# Altium PCB MPPT_FINAL.pcbdoc (part 2 of 2)
Units mil, origin at the board's own origin, x right, y up, seen from the top; angles counter-clockwise.
Board outline 3897.64 x 3105 mil, 2 copper layers (Top Layer, Bottom Layer); 148 components, 102 nets, 491 pads, 184 vias.
Unrouted connection lines stored in the file: 3.
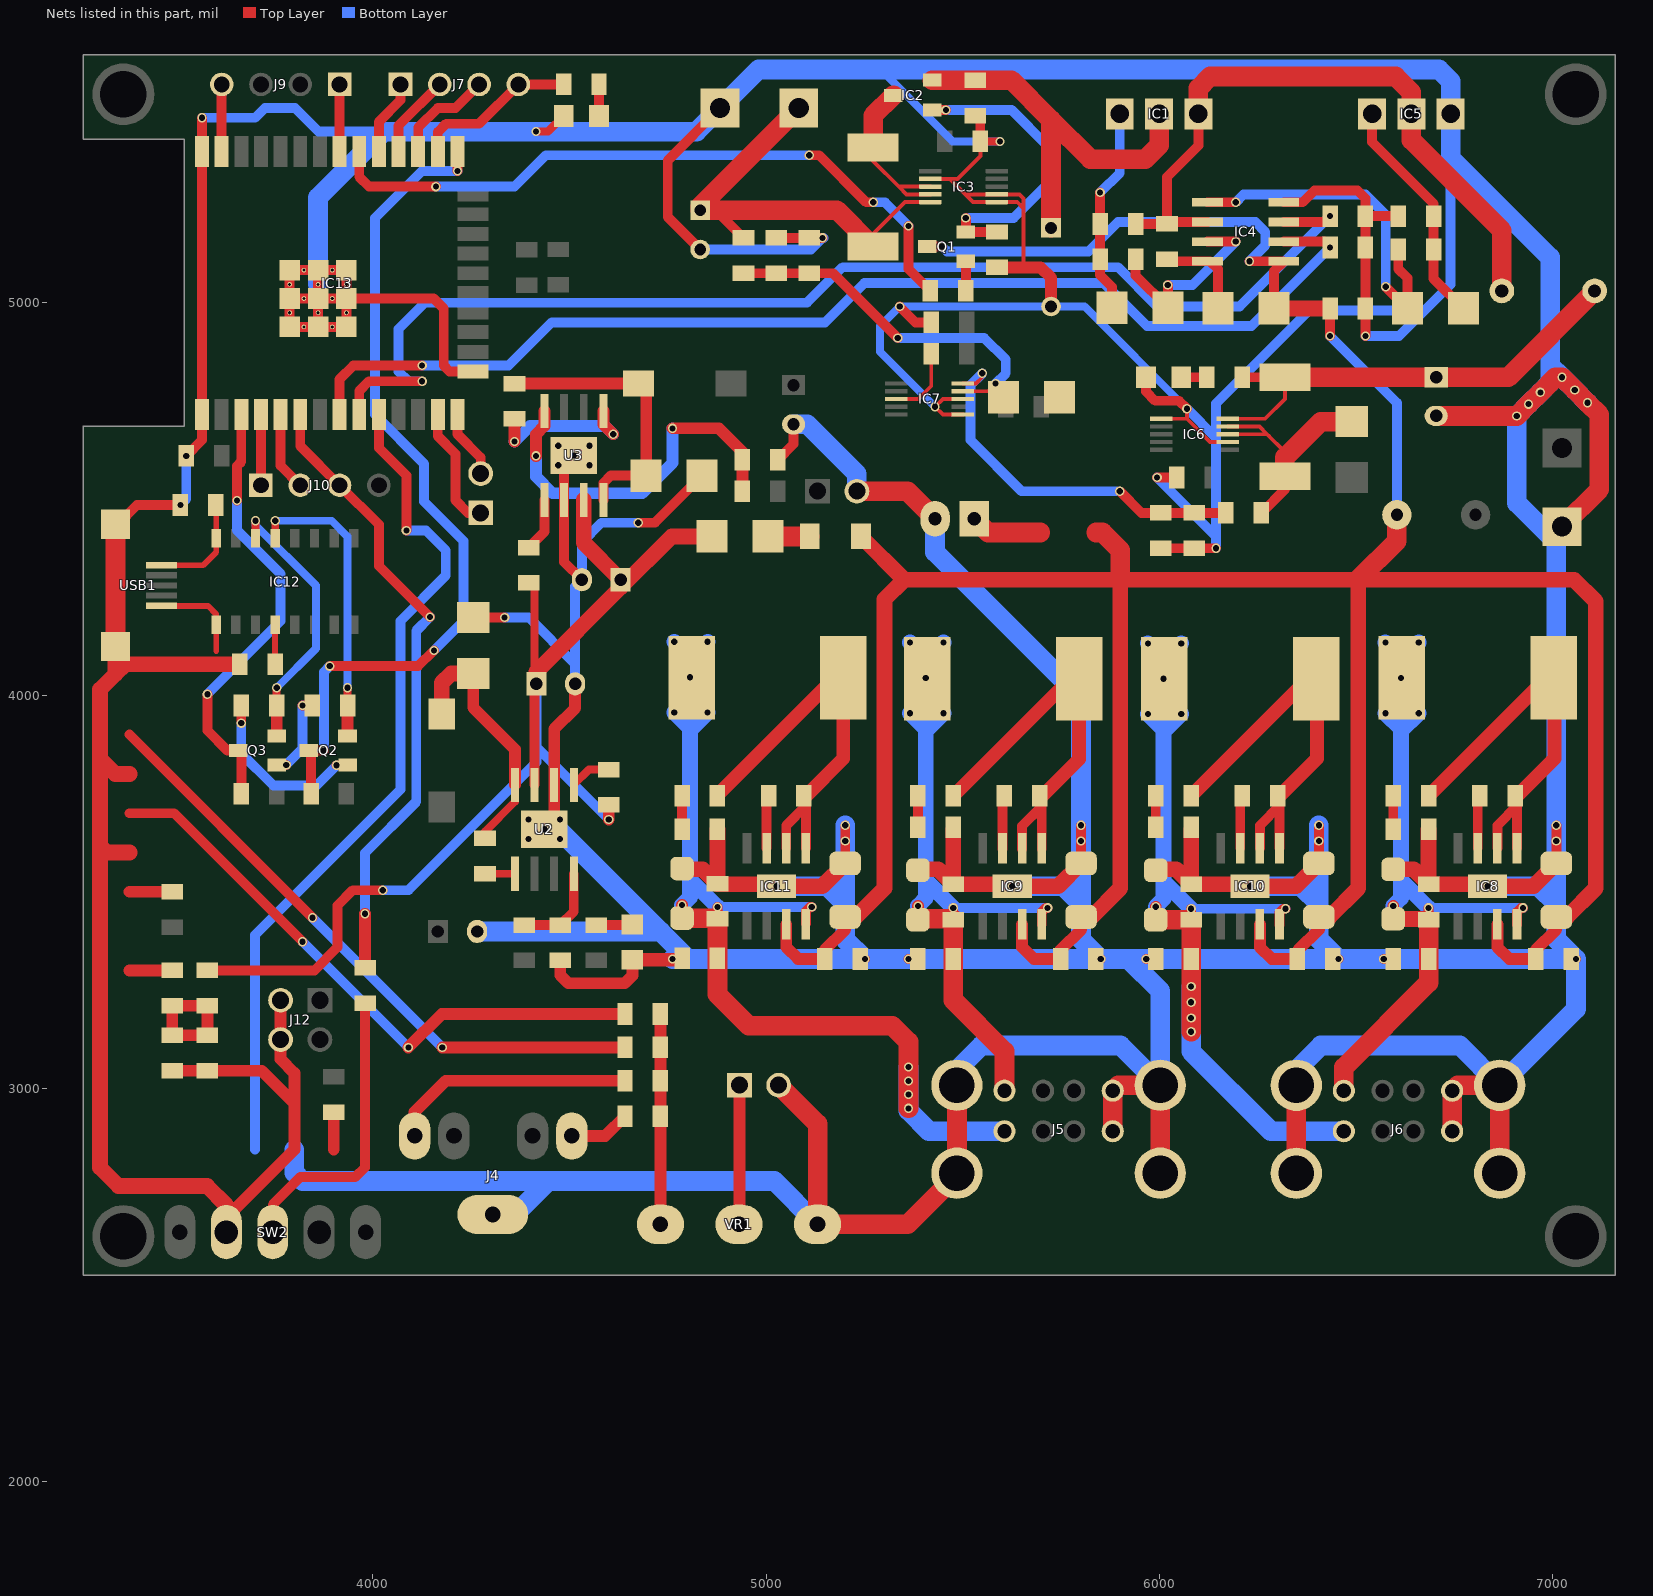
[diagram p2: the nets of this part, all layers, seen from the top]

## Via types
v1: diameter 23.62, hole 15.75, Top Layer to Bottom Layer, 179 vias
v2: diameter 55, hole 55, Top Layer to Bottom Layer, 5 vias

## Nets (pads, with @x,y where several pads share a name; then routed paths per layer and width w, separated by ;. In a path a pad name is that pad's centre, name@x,y a point inside that pad or via, vN(x,y) a via of type N, cw(c..) or ccw(c..) an arc to the next point about the centre after c; other vN are vias at no path point) (continued)
GND: C1.2 C2.2 C3.2 C4.2 C6.2 C7.2 C8.2 C9.2 C10.2 C11.1 C17.2 C19.2 C20.2 C21.2 C22.2 C23.2 C24.2 C25.2 C26.1 C27.1 C28.2 C30.2 C32.2 C33.2 C34.2 C35.2 C36.2 C37.2 C38.1 C39.1 C40.2 C41.2 C42.2 C44.2 C45.2 C47.2 C48.2 D6.1 D8.1 IC3.1 IC3.2 IC3.7 IC4.4 IC5.3 IC6.1 IC6.7 IC7.1 IC7.3 IC8.9 IC9.9 IC10.9 IC11.9 IC12.1 IC13.1 IC13.15 IC13.38 IC13.39_1 IC13.39_2 IC13.39_3 IC13.39_4 IC13.39_5 IC13.39_6 IC13.39_7 IC13.39_8 IC13.39_9 IC13.39_10 IC13.39_11 IC13.39_12 IC13.39_13 IC13.39_14 IC13.39_15 IC13.39_16 IC13.39_17 IC13.39_18 IC13.39_19 IC13.39_20 IC13.39_21 J1.1 J2.2 J3.2 J4.5 J5.4 J5.8 J5.S1 J5.S2 J5.S3 J5.S4 J6.4 J6.8 J6.S1 J6.S2 J6.S3 J6.S4 J11.2 J12.2 J12.3 J13.2 LED1.2 LED2.2 LED3.2 R3.1 R4.2 R7.1 R8.1 R11.2 R12.2 R16.2 R20.2 R21.2 R22.2 R25.2 R26.2 R40.2 R43.2 SW2.3 U2.6 U2.9 U3.6 U3.9 USB1.5 VR1.3 | length 38084.4
  Top Layer w10: IC3.7@5417.9,5314.69 5467.86,5314.69 ; IC7.1@5500.59,4715.31 5449.69,4715.31 v1(5430,4735) 5449.69,4754.69 IC7.3@5500.59,4754.69 ; C7.2@5545.09,5410 5545.09,5372.54 5487.23,5314.69 5467.86,5314.69 ; 5655,5089.54 5655,5239.69 ; IC6.1@6005.35,4704.37 6070.63,4704.37 ; v1(6070.63,4730) 6070.63,4704.37 ; IC6.7@6174.65,4645.31 6129.69,4645.31 6070.63,4704.37 ; 5467.86,5314.69 5507.23,5275.31 ; 5507.23,5275.31 5526.91,5255.63 IC3.1@5587.19,5255.63 5639.06,5255.63 5655,5239.69 ; 5507.23,5275.31 IC3.2@5587.19,5275.31 5644.69,5275.31 5655,5265 5655,5239.69
  Top Layer w15: USB1.5@3461.84,4228.51 3580.1,4228.51 3601.22,4207.39 3601.22,4175.75 3601.22,4113.78
  Top Layer w20: v1(4415,5435) 4445.39,5435 LED2.2@4485,5474.61 ; C7.2@5545.09,5410 v1(5595,5410)
  Top Layer w25: USB1.5@3345,4436.02 3351.02,4436.02 3400,4485 v1(3510,4485) ; v1(3525,4610) 3565,4650 IC13.1@3565,4715 IC13.38@3565,5384.29 v1(3565,5470) ; IC13.15@4254.37,4824.65 4195,4824.65 4180,4839.65 4180,4985 4154.72,5010.28 IC13.39_8@3932.52,5010.28 ; D6.1@4255,4198.56 v1(4335,4198.56) ; U3.9@4520.23,4610.94 4486.23,4576.94 U3.6@4486.23,4497.76 4486.23,4340.34 C48.2@4531.57,4295 ; v1(4675,4440) 4717.2,4440 D8.1@4837.2,4560 ; v1(4762.25,3330.01) R26.2@4786.42,3330.01 ; C2.2@4832.54,5135 4750,5217.54 4750,5361.92 J1.1@4883.08,5495 ; R4.2@5026.31,5164.65 C4.2@5110.09,5164.65 v1(5143.73,5164.65) ; R43.2@5030,4600 5070,4640 C47.2@5070,4690 ; C37.2@5201.41,3573.11 v1(5201.41,3630) v1(5201.42,3670.01) ; C36.2@5239.33,3330.01 v1(5251.42,3330.01) ; v1(5340,4990) 5380.31,4949.69 C9.2@5420.3,4949.69 ; v1(5362.25,3330) R22.2@5386.42,3330 ; R3.1@5532.54,5475.8 5545.09,5463.25 C7.2@5545.09,5410 ; C25.2@5801.41,3573.1 v1(5801.41,3629.99) v1(5801.42,3670) ; C24.2@5839.33,3330 v1(5851.42,3330) ; LED1.2@5966.5,4810 5966.5,4773.5 5990,4750 6050.63,4750 v1(6070.63,4730) ; v1(5967.25,3330) R25.2@5991.42,3330 ; v1(5995,4555) C10.2@6045,4555 ; C8.2@6004.65,4375 R16.2@6089.65,4375 v1(6145,4375) ; IC4.4@6317,5255 6365,5255 6395,5285 6505,5285 6525,5265 R8.1@6525,5220 ; C34.2@6406.41,3573.1 v1(6406.42,3629.99) v1(6406.42,3670) ; C33.2@6444.33,3330 v1(6456.42,3330) ; v1(6525,4915) C3.2@6525,4985 R7.1@6525,5140 R8.1@6525,5220 ; v1(6571.42,3330) R21.2@6595.59,3330 ; R12.2@6608.43,5220 R8.1@6525,5220 ; C22.2@7010.59,3573.1 v1(7010.59,3629.99) v1(7010.59,3670) ; C21.2@7048.51,3330 v1(7060.59,3330) ; IC13.39_2@3788.03,5010.28 IC13.39_13@3824.15,5010.28 IC13.39_5@3860.28,5010.28 ; IC13.39_2@3788.03,5010.28 IC13.39_11@3788.03,5046.4 IC13.39_3@3788.03,5082.52 IC13.39_14@3824.15,5082.52 IC13.39_6@3860.28,5082.52 ; IC13.39_2@3788.03,5010.28 IC13.39_10@3788.03,4974.15 IC13.39_1@3788.03,4938.03 IC13.39_12@3824.15,4938.03 IC13.39_4@3860.28,4938.03 ; IC13.39_4@3860.28,4938.03 IC13.39_15@3860.28,4974.15 IC13.39_5@3860.28,5010.28 ; IC13.39_4@3860.28,4938.03 IC13.39_17@3896.4,4938.03 IC13.39_7@3932.52,4938.03 IC13.39_20@3932.52,4974.15 IC13.39_8@3932.52,5010.28 ; IC13.39_5@3860.28,5010.28 IC13.39_18@3896.4,5010.28 IC13.39_8@3932.52,5010.28 ; IC13.39_5@3860.28,5010.28 IC13.39_16@3860.28,5046.4 IC13.39_6@3860.28,5082.52 ; IC13.39_6@3860.28,5082.52 IC13.39_19@3896.4,5082.52 IC13.39_9@3932.52,5082.52 IC13.39_21@3932.52,5046.4 IC13.39_8@3932.52,5010.28
  Top Layer w30: C11.1@3489.09,3045.91 R20.2@3578.72,3045.9 3717.13,3045.9 3800,2963.03 ; SW2.3@3626.89,2635 3626.89,2671.89 3800,2845 3800,2963.03 ; J12.2@3765.03,3225 J12.3@3765.03,3125 3765.03,3074.69 3800,3039.71 3800,2963.03 ; U2.9@4427,3660 4461,3694 U2.6@4461,3773.19 4461,3915.19 4514.21,3968.4 C45.2@4514.21,4030 ; R40.2@4476.5,3326.35 4476.5,3288.5 4496.64,3268.36 4640.61,3268.36 4660,3287.76 LED3.2@4660,3327.85 ; R11.2@5587.5,5089.54 5655,5089.54 5697.98,5089.54 5725,5062.52 C1.2@5725,4990
  Top Layer w35: LED3.2@4660,3327.85 4784.27,3327.85 R26.2@4786.42,3330.01
  Top Layer w40: USB1.5@3345,4125 3345,4055.16 ; 3380.32,3600.91 3323.58,3600.91 3305.63,3618.85 ; 3380.32,3800.91 3344.09,3800.91 3305.63,3839.37 ; SW2.3@3626.89,2671.89 3626.89,2703.8 3578.03,2752.65 3352.35,2752.65 3305.63,2799.37 3305.63,3618.85 ; C41.2@3646.22,4080 3369.84,4080 3345,4055.16 ; C30.2@4786.42,3558 4838.43,3558 C35.2@4876.42,3520.01 ; C39.1@4876.42,3660.01 C35.2@4876.42,3520.01 ; C37.2@5201.41,3573.11 5143.31,3515.01 v1(5026.42,3515.01) 5021.42,3520.01 C35.2@4876.42,3520.01 ; C17.2@5386.42,3557.99 5438.43,3557.99 C23.2@5476.42,3520 ; C27.1@5476.42,3660 C23.2@5476.42,3520 ; C25.2@5801.41,3573.1 5743.31,3515 v1(5626.42,3515) 5621.42,3520 C23.2@5476.42,3520 ; C28.2@5991.42,3557.99 6043.43,3557.99 C32.2@6081.42,3520 ; C38.1@6081.42,3660 C32.2@6081.42,3520 ; C34.2@6406.41,3573.1 6348.31,3515 v1(6231.42,3515) 6226.42,3520 C32.2@6081.42,3520 ; C20.2@6595.59,3557.99 6647.6,3557.99 C19.2@6685.59,3520 ; C26.1@6685.59,3660 C19.2@6685.59,3520 ; C22.2@7010.59,3573.1 6952.49,3515 v1(6835.59,3515) 6830.59,3520 C19.2@6685.59,3520 ; 3305.63,3618.85 3305.63,3839.37 ; 3305.63,3839.37 3305.63,4015.79 3345,4055.16
  Top Layer w50: USB1.5@3345,4125 USB1.5@3345,4436.02 ; J3.2@5032.18,3009 5131.18,2910 VR1.3@5131.18,2655 5360,2655 5485.64,2780.64 J5.S3@5485.64,2785.07 ; J13.2@5231.18,4520 5360,4520 J11.2@5430,4450 ; J5.S1@5485.64,3008.69 J5.S3@5485.64,2785.07 ; J5.S3@5485.71,2785 J5.S3@5485.64,2785.07 ; J5.4@5882.1,2891.76 J5.8@5882.1,2994.91 5895.88,3008.69 J5.S2@6002.96,3008.69 J5.S4@6002.96,2785.07 J5.S4@6002.96,2785 ; J6.S3@6349.1,2785 J6.S1@6349.1,3008.62 ; C6.2@6705,4711.57 v1(6910,4711.57) v1(6940,4741.57) v1(6970,4771.57) 7008.43,4810 v1(7025,4810) v1(7057.5,4777.5) v1(7090,4745) 7120,4715 7120,4525 J2.2@7025,4430 ; J6.4@6745.56,2891.69 J6.8@6745.56,2994.84 6759.33,3008.62 J6.S2@6866.42,3008.62 J6.S4@6866.42,2785
  Bottom Layer w20: 5300,5593 5300,5584.71 5474.71,5410 v1(5595,5410) ; v1(5430,4735) 5290,4875 5290,4940 v1(5340,4990) C1.2@5725,4990 5810.63,4990 v1(6070.63,4730)
  Bottom Layer w25: v1(3510,4485) 3525,4500 v1(3525,4610) ; v1(3565,5470) 3700,5470 3725,5495 3801.26,5495 3861.26,5435 4027.85,5435 ; v1(4335,4198.56) 4396.44,4198.56 4514.21,4080.79 ; C45.2@4514.21,4030 4514.21,4080.79 ; v1(4675,4440) 4581.23,4440 4531.57,4390.34 C48.2@4531.57,4295 4514.21,4277.64 4514.21,4080.79 ; C2.2@4832.54,5135 5114.09,5135 v1(5143.73,5164.65) v1@5146.37,5164.65 ; v1(5995,4555) 6145,4405 ; v1(6070.63,4730) 6145,4655.63 ; v1(6145,4375) 6145,4405 ; v1(6525,4915) 6610.51,4915 6675.51,4980 ; 6741.72,5368.28 6741.72,5046.21 6675.51,4980 ; 6145,4405 6145,4655.63 ; 6145,4655.63 6145,4743.5 6381.5,4980 6675.51,4980
  Bottom Layer w50: 3800,2845 3800,2786.26 3821.26,2765 4446.64,2765 ; IC13.39_16@3860.28,5046.4 3860.28,5267.42 4027.85,5435 v1(4415,5435) 4823.08,5435 J1.1@4883.08,5495 4981.08,5593 5300,5593 6712,5593 6741.72,5563.28 IC5.3@6741.72,5480 6741.72,5368.28 6995,5115 6995,4840 ; C44.2@4265,3400 4731.73,3400 ; J4.5@4305,2680 4361.64,2680 4446.64,2765 ; v1(4436,3660) 4471.73,3660 4731.73,3400 ; v1(4762.25,3330.01) 4801.73,3330.01 ; v1(5026.42,3515.01) 5156.42,3515.01 5201.42,3470.01 ; C47.2@5070,4690 5105,4690 5231.18,4563.82 J13.2@5231.18,4520 ; VR1.3@5131.18,2655 5021.18,2765 4446.64,2765 ; v1(5201.42,3670.01) 5201.42,3470.01 ; J11.2@5430,4450 5430,4365 5801.42,3993.58 v1(5801.42,3670) 5801.42,3470 ; J5.S1@5485.64,3008.69 5485.64,3047.75 5547.96,3110.07 5901.59,3110.07 J5.S2@6002.96,3008.69 6002.96,3248.46 5921.42,3330 ; v1(5626.42,3515) 5756.42,3515 5801.42,3470 ; v1(6231.42,3515) 6361.42,3515 6406.42,3470 ; J6.S1@6349.1,3008.62 6349.1,3047.68 6411.42,3110 6765.04,3110 J6.S2@6866.42,3008.62 7060.59,3202.8 v1(7060.59,3330) ; v1(6406.42,3670) 6406.42,3470 ; v1(6835.59,3515) 6965.59,3515 7010.59,3470 ; J2.2@7025,4430 7010.59,4415.59 J2.2@7010.59,4389.41 ; v1(7090,4745) v1(7057.5,4777.5) v1(7025,4810) 6995,4840 ; 4731.73,3400 4801.73,3330.01 ; 4801.73,3330.01 v1(5251.42,3330.01) ; 5201.42,3470.01 5201.42,3380.01 v1(5251.42,3330.01) ; v1(5251.42,3330.01) v1(5362.25,3330) v1(5851.42,3330) ; 5801.42,3470 5801.42,3380 v1(5851.42,3330) ; v1(5851.42,3330) 5921.42,3330 ; 5921.42,3330 v1(5967.25,3330) v1(6456.42,3330) ; 6406.42,3470 6406.42,3380 v1(6456.42,3330) ; v1(6456.42,3330) v1(6571.42,3330) v1(7060.59,3330) ; 6995,4840 6995,4796.57 v1(6970,4771.57) v1(6940,4741.57) v1(6910,4711.57) 6910,4490 J2.2@7010.59,4389.41 ; 7010.59,3470 v1(7010.59,3670) J2.2@7010.59,4389.41 ; 7010.59,3470 7010.59,3380 v1(7060.59,3330)
  other v1: 4396,3635 4476,3635 4396,3685 4476,3685 4471.23,4585.94 4551.23,4585.94 4511.23,4610.94 4471.23,4635.94 4551.23,4635.94
GPIO0: IC13.25 Q2.3 R31.1 | length 2186.3
  Top Layer w25: R31.1@3842.52,3750 3842.52,3855.18 Q2.3@3837.01,3860.69 v1(3875,3860.69) ; v1(3890,4075) 4115,4075 v1(4155,4115) ; v1(4215,5335) IC13.25@4215,5384.29
  Bottom Layer w25: v1(3875,3860.69) 3875,4060 v1(3890,4075) ; v1(4155,4115) 4230,4190 4230,4393.78 4130,4493.78 4130,4590 4005,4715 4005,5215 4125,5335 v1(4215,5335)
GPIO4: IC13.26 J7.4 R33.2 | length 419.7
  Top Layer w25: IC13.26@4165,5384.29 4165,5433.78 4186.22,5455 4270,5455 J7.4@4370,5555 R33.2@4485,5555
GPIO5: IC13.29 J7.1 | length 193.5
  Top Layer w25: IC13.29@4015,5384.29 4015,5460 4070,5515 J7.1@4070,5555
GPIO12: IC13.14 J8.2 | length 174.4
  Top Layer w25: IC13.14@4215,4715 4215,4665 4274,4606 J8.2@4274,4565
GPIO14: IC13.13 J8.1 | length 313.9
  Top Layer w25: IC13.13@4165,4715 4165,4660 4210,4615 4210,4497 4242,4465 J8.1@4274,4465
GPIO16: IC13.27 J7.3 | length 261.3
  Top Layer w25: IC13.27@4115,5384.29 4115,5445 4165,5495 4210,5495 J7.3@4270,5555
GPIO17: IC13.28 J7.2 | length 214.2
  Top Layer w25: IC13.28@4065,5384.29 4065,5450 J7.2@4170,5555
GPIO19: IC13.31 J9.1 | length 170.7
  Top Layer w25: IC13.31@3915,5384.29 J9.1@3915,5555
GPIO23: IC13.37 J9.4 | length 170.7
  Top Layer w25: IC13.37@3615,5384.29 J9.4@3615,5555
GPIO34: IC13.6 J10.3 R36.2 | length 1612.2
  Top Layer w25: IC13.6@3815,4715 3815,4635 J10.3@3915,4535 4015,4435 4015,4330 v1(4145,4200)
  Top Layer w30: R36.2@3979.9,3307.9 v1(3979.9,3445)
  Bottom Layer w25: v1(3979.9,3445) 3979.9,3599.9 4110,3730 4110,4165 v1(4145,4200)
GPIO36: IC13.4 J10.1 | length 180
  Top Layer w25: J10.1@3715,4535 IC13.4@3715,4715
GPIO39: IC13.5 J10.2 | length 200.7
  Top Layer w25: IC13.5@3765,4715 3765,4585 J10.2@3815,4535
L: C12.2 | length 1590.5
  Top Layer w25: 3380.32,3900.91 v1(3846.22,3435)
  Top Layer w30: v1(4176.22,3105) C12.2@4641.18,3105
  Bottom Layer w25: v1(3846.22,3435) v1(4176.22,3105)
LRCLK: IC13.10 | length 2170.6
  Top Layer w25: IC13.10@4015,4715 4015,4630 4085,4560 v1(4085,4420)
  Bottom Layer w25: 3700,2845 3700,3391.35 4070,3761.35 4070,4190 4185,4305 4185,4370 4135,4420 v1(4085,4420)
MPPT_OUT: C6.1 IC6.10 L1.2 R13.1 R14.2 | length 1208.9
  Top Layer w10: IC6.10@6174.65,4704.37 6269.37,4704.37 6320,4755 R14.2@6320,4810
  Top Layer w25: R13.1@6211.5,4810 R14.2@6320,4810
  Top Layer w50: R14.2@6320,4810 C6.1@6705,4810 6888.43,4810 L1.2@7108.11,5029.68
NetC1_1: C1.1 IC1.2 IC2.3 R3.2 | length 1030.1
  Top Layer w50: IC2.3@5422.54,5565.8 R3.2@5532.54,5565.8 5624.2,5565.8 5725,5465 ; C1.1@5725,5190 5725,5465 ; IC1.2@6000,5480 6000,5400 5965,5365 5825,5365 5725,5465
NetC5_1: C5.1 D2.2 IC4.8 | length 240.4
  Top Layer w25: C5.1@6020,5110 6025,5105 IC4.8@6123,5105 6130,5105 6150,5085 D2.2@6150,4985
NetC5_2: C5.2 IC1.3 IC4.6 IC5.2 L1.1 R6.2 | length 1734.6
  Top Layer w25: R6.2@5940,5200 C5.2@6020,5200 ; IC1.3@6100,5480 6100,5399.37 6020,5319.37 C5.2@6020,5200 ; IC4.6@6123,5205 6025,5205 C5.2@6020,5200
  Top Layer w50: IC1.3@6100,5480 6100,5545 6130,5575 6601.72,5575 6641.72,5535 IC5.2@6641.72,5480 6641.72,5413.28 6871.89,5183.11 L1.1@6871.89,5029.68
NetC11_2: C11.2 R18.2 R19.1 R20.1 | length 329.3
  Top Layer w30: C11.2@3489.09,3135.91 R19.1@3489.09,3210.91 R18.2@3578.72,3210.91 R20.1@3578.72,3135.9 C11.2@3489.09,3135.91
NetC12_1: C12.1 C13.1 C14.2 C15.2 VR1.1 | length 535
  Top Layer w30: VR1.1@4731.18,2655 C14.2@4731.18,2930 C15.2@4731.18,3020 C12.1@4731.18,3105 C13.1@4731.18,3190
NetC14_1: C14.1 J4.1 | length 155.9
  Top Layer w30: J4.1@4506,2880 4591.18,2880 C14.1@4641.18,2930
NetC15_1: C15.1 J4.4 | length 628.9
  Top Layer w30: J4.4@4106,2880 4106,2941 4185,3020 C15.1@4641.18,3020
NetC16_1: C16.1 IC8.1 IC8.2 L2.2 R23.1 | length 1045.3
  Top Layer w25: IC8.2@6860.59,3612 6860.59,3670 C16.1@6910.59,3720 ; IC8.1@6910.59,3612 C16.1@6910.59,3720 ; C16.1@6910.59,3745 C16.1@6910.59,3720
  Top Layer w35: R23.1@6685.59,3745 6985.59,4045 L2.2@7003.51,4045 7005.59,4045 7005.59,3840 C16.1@6910.59,3745
NetC16_2: C16.2 IC8.3 | length 137.1
  Top Layer w25: IC8.3@6810.59,3612 6810.59,3735 C16.2@6820.59,3745
NetC18_1: C18.1 IC9.1 IC9.2 L3.2 R24.1 | length 1044.5
  Top Layer w25: IC9.2@5651.42,3609.99 5651.42,3667.99 C18.1@5701.42,3717.99 ; IC9.1@5701.42,3609.99 C18.1@5701.42,3717.99 ; C18.1@5701.42,3742.99 C18.1@5701.42,3717.99
  Top Layer w35: R24.1@5476.42,3745 5774.41,4042.99 L3.2@5796.42,4042.99 5796.42,3837.99 C18.1@5701.42,3742.99
NetC18_2: C18.2 IC9.3 | length 137.1
  Top Layer w25: IC9.3@5601.42,3609.99 5601.42,3732.99 C18.2@5611.42,3742.99
NetC26_2: C26.2 R23.2 | length 85
  Top Layer w25: C26.2@6595.59,3660 R23.2@6595.59,3745
NetC27_2: C27.2 R24.2 | length 85
  Top Layer w25: C27.2@5386.42,3660 R24.2@5386.42,3745
NetC29_1: C29.1 IC10.1 IC10.2 L4.2 R27.1 | length 1045.3
  Top Layer w25: IC10.2@6256.42,3612 6256.42,3670 C29.1@6306.42,3720 ; IC10.1@6306.42,3612 C29.1@6306.42,3720 ; C29.1@6306.42,3745 C29.1@6306.42,3720
  Top Layer w35: R27.1@6081.42,3745 6381.42,4045 6399.33,4045 6401.42,4045 6401.42,3840 C29.1@6306.42,3745
NetC29_2: C29.2 IC10.3 | length 137.1
  Top Layer w25: IC10.3@6206.42,3612 6206.42,3735 C29.2@6216.42,3745
NetC31_1: C31.1 IC11.1 IC11.2 L5.2 R28.1 | length 1044.5
  Top Layer w25: IC11.2@5051.42,3612 5051.42,3670 C31.1@5101.42,3720 ; IC11.1@5101.42,3612 C31.1@5101.42,3720 ; C31.1@5101.42,3745 C31.1@5101.42,3720
  Top Layer w35: R28.1@4876.42,3747.01 5174.41,4045 L5.2@5196.42,4045 5196.42,3840 C31.1@5101.42,3745
NetC31_2: C31.2 IC11.3 | length 137.1
  Top Layer w25: IC11.3@5001.42,3612 5001.42,3735 C31.2@5011.42,3745
NetC38_2: C38.2 R27.2 | length 85
  Top Layer w25: C38.2@5991.42,3660 R27.2@5991.42,3745
NetC39_2: C39.2 R28.2 | length 85
  Top Layer w25: C39.2@4786.42,3660.01 R28.2@4786.42,3745
NetC40_1: C40.1 IC12.16 USB1.1 | length 273.7
  Top Layer w15: USB1.1@3461.84,4331.69 3567.98,4331.69 3601.22,4364.93 IC12.16@3601.22,4400.47 3601.22,4483.78 C40.1@3600,4485
NetC41_1: C41.1 IC12.4 | length 100
  Top Layer w15: C41.1@3751.22,4080 IC12.4@3751.22,4180
NetC43_1: C43.1 D6.2 L6.1 U2.8 | length 664.2
  Top Layer w20: C43.1@4285,3636.81 4285,3654 4361,3730 U2.8@4361,3773.19
  Top Layer w30: D6.2@4255,4056.35 4255,3969.69 4361,3863.69 U2.8@4361,3773.19
  Top Layer w40: L6.1@4175,3953.11 4175,4032.52 4198.83,4056.35 D6.2@4255,4056.35
NetC43_2: C43.2 U2.1 | length 76
  Top Layer w20: C43.2@4285,3546.81 U2.1@4361,3546.81
NetC46_1: C46.1 D8.2 L7.1 U3.8 | length 717.4
  Top Layer w25: U3.8@4586.23,4497.76 4586.23,4541.23 4605,4560 D8.2@4695,4560
  Top Layer w30: C46.1@4360,4794.06 L7.1@4675,4794.06 4695,4774.06 D8.2@4695,4560
NetC46_2: C46.2 U3.1 | length 403.4
  Top Layer w30: v1(4360,4646.31) C46.2@4360,4704.06 ; U3.1@4586.23,4724.13 4586.23,4690 v1(4611.23,4665)
  Bottom Layer w30: v1(4360,4646.31) 4399.47,4685.79 4590.45,4685.79 v1(4611.23,4665)
NetD1_1: D1.1 IC1.1 R5.1 R6.1 | length 526.1
  Top Layer w25: v1(5850,5280) R6.1@5850,5200 R5.1@5850,5110 5850,5070 5880,5040 D1.1@5880,4987
  Bottom Layer w25: v1(5850,5280) 5900,5330 IC1.1@5900,5480
NetD1_2: D1.2 IC4.7 R5.2 | length 505.2
  Top Layer w25: R5.2@5940,5110 5940,5069.2 D1.2@6022.2,4987 v1(6022.2,5044.49) ; IC4.7@6123,5155 v1(6195.04,5155)
  Bottom Layer w25: v1(6022.2,5044.49) 6084.54,5044.49 v1(6195.04,5155)
NetD3_1: D3.1 IC5.1 R10.1 R12.1 | length 591.2
  Top Layer w25: IC5.1@6541.72,5480 6541.72,5408.28 6698.43,5251.57 R12.1@6698.43,5220 R10.1@6698.43,5135 6698.43,5060.49 D3.1@6773.92,4985
NetD3_2: D3.2 IC4.5 R10.2 | length 904.1
  Top Layer w25: IC4.5@6123,5255 v1(6195.04,5255) ; v1(6576.72,5040) D3.2@6631.72,4985 6631.72,5062.49 6608.43,5085.77 R10.2@6608.43,5135
  Bottom Layer w25: v1(6195.04,5255) 6215.04,5275 6525,5275 6576.72,5223.28 v1(6576.72,5040)
NetD4_1: D4.1 IC6.8 IC6.9 R14.1 R15.1 | length 667.3
  Top Layer w10: IC6.8@6174.65,4665 6275,4665 ; IC6.9@6174.65,4684.69 6255.31,4684.69 6275,4665 ; 6280,4660 6275,4665 ; 6320,4605.67 6320,4620 6275,4665
  Top Layer w25: R15.1@6260,4465 6320,4525 R14.1@6320,4558.03
  Top Layer w50: R14.1@6320,4558.03 6320,4605.67 6411.54,4697.2 D4.1@6490,4697.2
NetD5_1: D5.1 F1.1 | length 106.4
  Top Layer w50: D5.1@5005,4405 F1.1@5111.42,4405
NetD7_2: D7.2 J11.1 | length 182.3
  Top Layer w50: J11.1@5530,4450 5565,4415 5697.8,4415
NetFB1_1: FB1.1 IC7.8 | length 184.6
  Top Layer w10: IC7.8@5331.3,4754.69 5387.23,4754.69 5420.3,4787.76 FB1.1@5420.3,4869.69
NetFB2_1: FB2.1 | length 95
  Top Layer w30: 3900,2845 FB2.1@3900,2940
NetFB3_1: FB3.1 | length 108.8
  Top Layer w30: 3380.32,3500.91 FB3.1@3489.09,3500.91
NetIC12_13: IC12.13 Q2.2 R32.2 | length 752.5
  Top Layer w20: IC12.13@3751.22,4400.47 v1(3751.22,4445) ; R32.2@3935.43,3975 v1(3935.43,4020)
  Top Layer w30: Q2.2@3935.22,3897.69 3935.43,3897.9 R32.2@3935.43,3975
  Bottom Layer w20: v1(3751.22,4445) 3895,4445 3935.43,4404.57 v1(3935.43,4020)
NetIC12_14: IC12.14 Q3.2 R29.2 | length 697
  Top Layer w20: IC12.14@3701.22,4400.47 v1(3701.22,4445) ; R29.2@3755,3975 v1(3755,4020)
  Top Layer w30: Q3.2@3755,3897.69 R29.2@3755,3975
  Bottom Layer w20: v1(3701.22,4445) 3701.22,4433.78 3855,4280 3855,4120 v1(3755,4020)
NetJ3_1: J3.1 VR1.2 | length 354.4
  Top Layer w30: VR1.2@4932.18,2656 J3.1@4932.18,3009
  Top Layer w50: VR1.2@4931.18,2655 VR1.2@4932.18,2656
NetLED1_1: LED1.1 R13.2 | length 65
  Top Layer w25: LED1.1@6056.5,4810 R13.2@6121.5,4810
NetLED2_1: LED2.1 R33.1 | length 80.4
  Top Layer w25: LED2.1@4575,5474.61 R33.1@4575,5555
NetLED3_1: LED3.1 R39.1 | length 92.6
  Top Layer w25: R39.1@4568,3416.35 4658.5,3416.35 LED3.1@4660,3417.85
NetQ1_1: Q1.1 R9.1 | length 75.6
  Top Layer w25: R9.1@5508.3,5029.68 5508.51,5029.89 Q1.1@5508.51,5105.14
NetQ2_1: Q2.1 R29.1 | length 447.8
  Top Layer w25: v1(3665,3930) R29.1@3665,3975 ; v1(3907.43,3822.69) 3934.84,3822.69 Q2.1@3935.43,3823.29
  Bottom Layer w25: v1(3665,3930) 3665,3853 3746.65,3771.35 3856.1,3771.35 v1(3907.43,3822.69)
NetQ3_1: Q3.1 R32.1 | length 217.5
  Top Layer w25: Q3.1@3755.21,3823.29 v1(3779.21,3823.29) ; v1(3820.93,3975) R32.1@3845.43,3975
  Bottom Layer w25: v1(3779.21,3823.29) 3820.93,3865.01 v1(3820.93,3975)
NetR19_2: R19.2 | length 108.8
  Top Layer w30: 3380.32,3300.91 R19.2@3489.09,3300.91
NetR36_1: R36.1 SW2.2 | length 762.2
  Top Layer w25: SW2.2@3745,2635 3745,2704.97 3815.03,2775 3955,2775 3979.9,2799.9 R36.1@3979.9,3217.9
NetR37_2: R37.2 U2.5 | length 105.1
  Top Layer w20: U2.5@4511,3773.19 4549.81,3812 R37.2@4600,3812
NetR41_2: R41.2 U3.5 | length 137.7
  Top Layer w25: R41.2@4396,4376.69 4436.23,4416.93 U3.5@4436.23,4497.76
OF_S: IC2.1 Q1.2 R11.1 | length 786.5
  Top Layer w25: IC2.1@5422.33,5490 v1(5457.54,5490) ; v1(5508.3,5215) Q1.2@5508.3,5179.54 R11.1@5587.5,5179.54
  Bottom Layer w25: v1(5457.54,5490) 5625,5490 5715,5400 5715,5300 5630,5215 v1(5508.3,5215)
R: C13.2 | length 1542.9
  Top Layer w25: 3380.32,3700.91 3494.09,3700.91 v1(3820.93,3374.07)
  Top Layer w30: v1(4090,3105) 4175,3190 C13.2@4641.18,3190
  Bottom Layer w25: v1(3820.93,3374.07) v1(4090,3105)
RST: IC13.3 Q3.3 R30.1 | length 1144.5
  Top Layer w25: v1(3578.72,4003.72) 3578.72,3911.28 3629.31,3860.69 Q3.3@3656.79,3860.69 3665.21,3852.26 R30.1@3665.21,3750.01 ; v1(3654.19,4496.63) 3654.19,4584.19 3665,4595 IC13.3@3665,4715
  Bottom Layer w25: v1(3578.72,4003.72) 3765,4190 3765,4310 3654.19,4420.81 v1(3654.19,4496.63)
SOL_OF: IC13.30 R9.2 | length 1768.2
  Top Layer w25: IC13.30@3965,5384.29 3965,5319.9 3989.9,5295 v1(4160,5295) ; v1(5110,5375) 5135,5375 5255,5255 v1(5272.54,5255) ; v1(5362.25,5195) 5362.25,5085.73 R9.2@5418.3,5029.68
  Bottom Layer w25: v1(4160,5295) 4360,5295 4440,5375 v1(5110,5375) ; v1(5272.54,5255) 5302.25,5255 v1(5362.25,5195)
SOL_PWM: IC4.2 IC13.8 R7.2 | length 2964.1
  Top Layer w25: IC13.8@3915,4715 3915,4805 3950,4840 v1(4125,4840) ; IC4.2@6317,5155 6420,5155 v1(6435,5140)
  Bottom Layer w25: v1(4125,4840) 4345,4840 4454.69,4949.69 5149.69,4949.69 5250,5050 5859.15,5050 5969.15,4940 6235,4940 v1(6435,5140)
SOL_SD: IC4.3 IC13.9 R8.2 | length 3104.3
  Top Layer w25: IC13.9@3965,4715 3965,4775 3990,4800 v1(4125,4800) ; IC4.3@6317,5205 6420,5205 v1(6435,5220)
  Bottom Layer w25: v1(4125,4800) 4090,4800 4065,4825 4065,4932.43 4132.24,4999.67 5104.67,4999.67 5195,5090 5895,5090 5995,4990 6205,4990 v1(6435,5220)
SOL_VBUS: IC2.2 IC3.8 IC3.9 R1.1 | length 449.3
  Top Layer w10: R1.1@5272.54,5394.51 5272.54,5360 5337.54,5295 ; IC3.9@5417.9,5275.31 5357.23,5275.31 5337.54,5295 ; IC3.8@5417.9,5295 5337.54,5295
  Top Layer w50: R1.1@5272.54,5394.51 5272.54,5475.63 IC2.2@5324.12,5527.2
VADC_BAT: C8.1 IC7.5 R15.2 R16.1 | length 975.1
  Top Layer w10: IC7.5@5500.59,4794.06 5534.06,4794.06 5550,4810 v1(5550,4820)
  Top Layer w25: v1(5900,4520) 5955,4465 C8.1@6004.65,4465 R16.1@6089.65,4465 R15.2@6170,4465
  Bottom Layer w25: v1(5550,4820) 5520,4790 5520,4650 5650,4520 v1(5900,4520)
VADC_SOL: C4.1 IC7.4 R2.1 R4.1 | length 921.7
  Top Layer w10: IC7.4@5500.59,4774.37 5564.37,4774.37 v1(5584.06,4794.06)
  Top Layer w25: R2.1@4942.54,5074.65 R4.1@5026.31,5074.65 C4.1@5110.09,5074.65 5170.35,5074.65 v1(5335,4910)
  Bottom Layer w25: v1(5335,4910) 5555,4910 5610,4855 5610,4820 v1(5584.06,4794.06)
VBAT: C3.1 C21.1 C22.1 C24.1 C25.1 C33.1 C34.1 C36.1 C37.1 D2.1 D7.1 F1.2 IC4.1 IC8.7 IC9.7 IC10.7 IC11.7 Q1.3 SW1.2 | length 9065.7
  Top Layer w25: Q1.3@5410.09,5142.54 v1(5447.54,5142.54) ; v1(6230,5105.14) 6230.14,5105 IC4.1@6317,5105 6292.2,5080.2 D2.1@6292.2,4985 ; v1(6435,4915) C3.1@6435,4985
  Top Layer w30: IC11.7@5051.42,3418 5051.42,3360.01 5081.42,3330.01 C36.1@5149.33,3330.01 5149.33,3352.92 5201.41,3405 C37.1@5201.41,3436.89 ; IC9.7@5651.42,3418 5651.42,3360 5681.42,3330 C24.1@5749.33,3330 5749.33,3352.91 5801.41,3404.99 C25.1@5801.41,3436.88 ; IC10.7@6256.42,3418 6256.42,3360 6286.42,3330 C33.1@6351.42,3330 6354.33,3330 6354.33,3352.91 6406.41,3404.99 C34.1@6406.41,3436.88 ; IC8.7@6860.59,3418 6860.59,3360 6890.59,3330 C21.1@6958.51,3330 6958.51,3352.91 7010.59,3404.99 C22.1@7010.59,3436.88
  Top Layer w40: C37.1@5201.41,3436.89 5228.3,3436.89 5301.42,3510.01 5301.42,4245 5351.42,4295 ; F1.2@5241.42,4405 5351.42,4295 ; C25.1@5801.41,3436.88 5828.31,3436.88 5901.42,3510 5901.42,4295 ; D2.1@6292.2,4985 C3.1@6435,4985 ; C34.1@6406.41,3436.88 6433.31,3436.88 6506.42,3510 6506.42,4295 ; C22.1@7010.59,3436.88 7037.48,3436.88 7110.59,3510 7110.59,4240 7055.59,4295 6506.42,4295 ; 5351.42,4295 5901.42,4295 ; 5901.42,4295 6506.42,4295
  Top Layer w50: 5840,4415 5855.88,4415 5901.42,4369.46 5901.42,4295 ; 6506.42,4295 6605,4393.58 SW1.2@6605,4460
  Bottom Layer w25: v1(5447.54,5142.54) 5460.09,5130 5820,5130 5895,5205 6245,5205 6270,5180 6270,5145.14 v1(6230,5105.14) ; v1(6435,4915) 6605,4745 SW1.2@6605,4460
VFB0: R38.1 R40.1 U2.4 | length 236.2
  Top Layer w25: R38.1@4385,3416.35 R40.1@4476.5,3416.35 4511,3450.85 U2.4@4511,3546.81
VFB1: R42.1 R43.1 U3.4 | length 963.1
  Top Layer w30: v1(4415,4610) 4415,4665 4436.23,4686.23 U3.4@4436.23,4724.13 ; v1(4762.25,4680) 4880,4680 4940,4620 R43.1@4940,4600 R42.1@4940,4520
  Bottom Layer w30: v1(4415,4610) 4415,4556.64 4456.64,4515 4685,4515 4762.25,4592.25 v1(4762.25,4680)
VOUT1: C30.1 C35.1 IC11.8 J5.1 L5.1 R26.1 | length 2699.5
  Top Layer w25: C35.1@4874.41,3434.02 4876.42,3436.02 4871.42,3441.02 4876.42,3446.02 v1(4876.42,3462.01) ; IC11.8@5101.42,3420.01 5101.42,3452.01 5111.42,3462.01 v1(5116.42,3462.01)
  Top Layer w30: C30.1@4786.42,3434.02 v1(4786.42,3467.01) ; C35.1@4874.41,3434.02 C35.1@4876.42,3432.01
  Top Layer w50: C30.1@4786.42,3434.02 C35.1@4874.41,3434.02 ; C35.1@4876.42,3432.01 R26.1@4876.42,3332.01 4876.42,3240 4956.42,3160 5321.42,3160 5362.25,3119.17 v1(5362.25,3055) v1(5362.25,3019.76) v1(5362.25,2985) v1(5362.25,2950)
  Bottom Layer w25: v1(4876.42,3462.01) v1(5116.42,3462.01)
  Bottom Layer w40: v1(4766.42,3957.01) 4806.42,3917.01 ; v1(4766.42,4137.01) 4806.42,4097.01 4806.42,4092.01 ; v1(4786.42,3467.01) 4806.42,3487.01 4806.42,3532.01 ; v1(4851.42,3957.01) 4806.42,3912.01 ; v1(4851.42,4137.01) 4806.42,4092.01 ; v1(4876.42,3462.01) 4806.42,3532.01 ; 4806.42,3532.01 4806.42,3912.01 ; 4806.42,3912.01 4806.42,3917.01 ; 4806.42,3917.01 v1(4806.42,4047.01) 4806.42,4092.01
  Bottom Layer w50: v1(5362.25,3055) v1(5362.25,3019.76) v1(5362.25,2985) v1(5362.25,2950) 5362.25,2944.17 5414.66,2891.76 J5.1@5606.51,2891.76
VOUT2: C17.1 C23.1 IC9.8 J5.5 L3.1 R22.1 | length 1914.6
  Top Layer w25: C23.1@5474.41,3432.01 5476.42,3434.02 5471.42,3439.02 5476.42,3444.02 v1(5476.42,3460) ; IC9.8@5701.42,3418 5701.42,3450 5711.42,3460 v1(5716.42,3460)
  Top Layer w30: C17.1@5386.42,3432.01 v1(5386.42,3465) ; C23.1@5474.41,3432.01 C23.1@5476.42,3430
  Top Layer w50: C17.1@5386.42,3432.01 C23.1@5474.41,3432.01 ; C23.1@5476.42,3430 R22.1@5476.42,3330 5476.42,3225 5606.51,3094.91 J5.5@5606.51,2994.91
  Bottom Layer w25: v1(5476.42,3460) v1(5716.42,3460)
  Bottom Layer w40: v1(5366.42,3955) 5406.42,3915 ; v1(5366.42,4135) 5406.42,4095 5406.42,4090 ; v1(5386.42,3465) 5406.42,3485 5406.42,3530 ; v1(5451.42,3955) 5406.42,3910 ; v1(5451.42,4135) 5406.42,4090 ; v1(5476.42,3460) 5406.42,3530 ; 5406.42,3530 5406.42,3910 ; 5406.42,3910 5406.42,3915 ; 5406.42,3915 v1(5406.42,4045) 5406.42,4090
VOUT3: C28.1 C32.1 IC10.8 J6.1 L4.1 R25.1 | length 2346.4
  Top Layer w25: C32.1@6079.41,3430 6081.42,3432.01 6076.42,3437.01 6081.42,3442.01 v1(6081.42,3457.99) ; IC10.8@6306.42,3415.99 6306.42,3447.99 6316.42,3457.99 v1(6321.42,3457.99)
  Top Layer w30: C28.1@5991.42,3430 v1(5991.42,3462.99) ; C32.1@6079.41,3430 C32.1@6081.42,3427.99 ; R25.1@6081.42,3327.99 R25.1@6081.42,3330
  Top Layer w50: C28.1@5991.42,3430 C32.1@6079.41,3430 ; v1(6081.42,3145) v1(6081.42,3180) v1(6081.42,3220) R25.1@6081.42,3327.99 ; R25.1@6081.42,3330 C32.1@6081.42,3427.99
  Bottom Layer w25: v1(6081.42,3457.99) v1(6321.42,3457.99)
  Bottom Layer w40: v1(5971.42,3952.99) 6011.42,3912.99 ; v1(5971.42,4132.99) 6011.42,4092.99 6011.42,4087.99 ; v1(5991.42,3462.99) 6011.42,3482.99 6011.42,3527.99 ; v1(6056.42,3952.99) 6011.42,3907.99 ; v1(6056.42,4132.99) 6011.42,4087.99 ; v1(6081.42,3457.99) 6011.42,3527.99 ; 6011.42,3527.99 6011.42,3907.99 ; 6011.42,3907.99 6011.42,3912.99 ; 6011.42,3912.99 v1(6011.42,4042.99) 6011.42,4087.99
  Bottom Layer w50: v1(6081.42,3260) 6081.42,3095 6284.73,2891.69 J6.1@6469.96,2891.69
VOUT4: C19.1 C20.1 IC8.8 J6.5 L2.1 R21.1 | length 1950.1
  Top Layer w25: C19.1@6683.59,3432.01 6685.59,3434.02 6680.59,3439.02 6685.59,3444.02 v1(6685.59,3460) ; IC8.8@6910.59,3418 6910.59,3450 6920.59,3460 v1(6925.59,3460)
  Top Layer w30: C20.1@6595.59,3432.01 v1(6595.59,3465) ; C19.1@6683.59,3432.01 C19.1@6685.59,3430
  Top Layer w40: C20.1@6595.59,3432.01 C19.1@6683.59,3432.01
  Top Layer w50: J6.5@6469.96,2994.84 6469.96,3054.37 6685.59,3270 R21.1@6685.59,3330 C19.1@6685.59,3430
  Bottom Layer w25: v1(6685.59,3460) v1(6925.59,3460)
  Bottom Layer w40: v1(6575.59,3955) 6615.59,3915 ; v1(6575.59,4135) 6615.59,4095 6615.59,4090 ; v1(6595.59,3465) 6615.59,3485 6615.59,3530 ; v1(6660.59,3955) 6615.59,3910 ; v1(6660.59,4135) 6615.59,4090 ; v1(6685.59,3460) 6615.59,3530 ; 6615.59,3530 6615.59,3910 ; 6615.59,3910 6615.59,3915 ; 6615.59,3915 v1(6615.59,4045) 6615.59,4090
VP: C45.1 C48.1 D5.2 R18.1 R37.1 R41.1 U2.7 U3.7 | length 3024
  Top Layer w20: R41.1@4396,4286.69 4411,4271.69 C45.1@4411,4025.21 ; C48.1@4630,4275 C48.1@4630,4295
  Top Layer w25: R18.1@3578.72,3300.91 3850.91,3300.91 3910,3360 3910,3466.35 3948.65,3505 v1(4025,3505) ; U2.7@4411,3773.19 4411,4025.21 C45.1@4415.79,4030
  Top Layer w30: v1(4600,3685.01) R37.1@4600,3722
  Top Layer w40: C45.1@4415.79,4030 4415.79,4060.79 4630,4275 4760,4405 D5.2@4862.8,4405 ; U3.7@4536.23,4497.76 4536.23,4388.77 C48.1@4630,4295
  Bottom Layer w25: v1(4025,3505) 4090,3505 4415.79,3830.79 4415.79,3869.22 ; C45.1@4415.79,4030 4415.79,3869.22 ; v1(4600,3685.01) 4415.79,3869.22
VSOL: C2.1 IC3.10 J1.2 R1.2 R2.2 | length 1151.4
  Top Layer w10: R1.2@5272.54,5142.54 5272.54,5174.65 5353.53,5255.63 IC3.10@5417.9,5255.63
  Top Layer w25: 4875,5235 4875,5232.19 R2.2@4942.54,5164.65
  Top Layer w50: J1.2@5083.08,5495 4832.54,5244.46 C2.1@4832.54,5235 4875,5235 5180.09,5235 R1.2@5272.54,5142.54
pads on no net: IC3.3 IC6.3 IC7.6 IC7.7 IC8.4 IC9.4 IC10.4 IC11.4 IC12.7 IC12.8 IC12.9 IC12.10 IC12.11 IC12.12 IC12.15 IC13.16 IC13.17 IC13.18 IC13.19 IC13.20 IC13.21 IC13.22 IC13.23 IC13.24 IC13.32 J4.2 J4.3 SW2.4 SW2.5 U2.2 U2.3 U3.2 U3.3 USB1.4
copper on no net:
  other v2: 4106,2580 4506,2580 4106,2680 4506,2680 4306,2880

## Polygon pours and split planes (outlines as drawn)
GND on Top Layer "GND_L01_P000" (solid, remove dead copper, pour order 0): 3755.21,5115 3965,5115 3965,4905 3755.21,4905
VOUT4 on Bottom Layer "VOUT4_L02_P014" (solid, remove dead copper, pour order 14): 6554.17,4157.99 6685.59,4157.99 6685.59,3927.99 6554.17,3927.99
VOUT3 on Bottom Layer "VOUT3_L02_P012" (solid, remove dead copper, pour order 12): 5950,4155.98 6081.42,4155.98 6081.42,3925.98 5950,3925.98
VOUT2 on Bottom Layer "VOUT2_L02_P010" (solid, remove dead copper, pour order 10): 5345,4157.99 5476.42,4157.99 5476.42,3927.99 5345,3927.99
VOUT1 on Bottom Layer "VOUT1_L02_P008" (solid, remove dead copper, pour order 8): 4745,4160 4876.42,4160 4876.42,3930 4745,3930
GND on Bottom Layer "GND_L02_P004" (solid, remove dead copper, pour order 4): 3755.21,5115 3965,5115 3965,4905 3755.21,4905
GND on Bottom Layer "GND_L02_P002" (solid, remove dead copper, pour order 2): 4373.5,3710 4496.64,3710 4496.64,3610 4373.5,3610

## Keep-outs
Keep-Out Layer:
  lines w10: 3262.36,2525 3262.36,4685 3262.83,4685.47 3520,4685.47 3520,5415 3262.36,5415 3262.36,5430 3262.36,5630 7160,5630 7160,2525 3262.36,2525

## Silkscreen, mask and mechanical layers (free items; w line width, h text height)
Top Overlay:
  drawing of 7770 lines, arcs and shapes, not listed
  text "STA" at 4490.46,5385 h30
  text "CHR" at 5820,4792.95 h30
  text "PWR" at 4595,3476.11 h30
  text "SOLAR MOMENT - SUN SOUND" at 5085,3125 h80